# Allegro board LAY-27392_C.brd (continued)
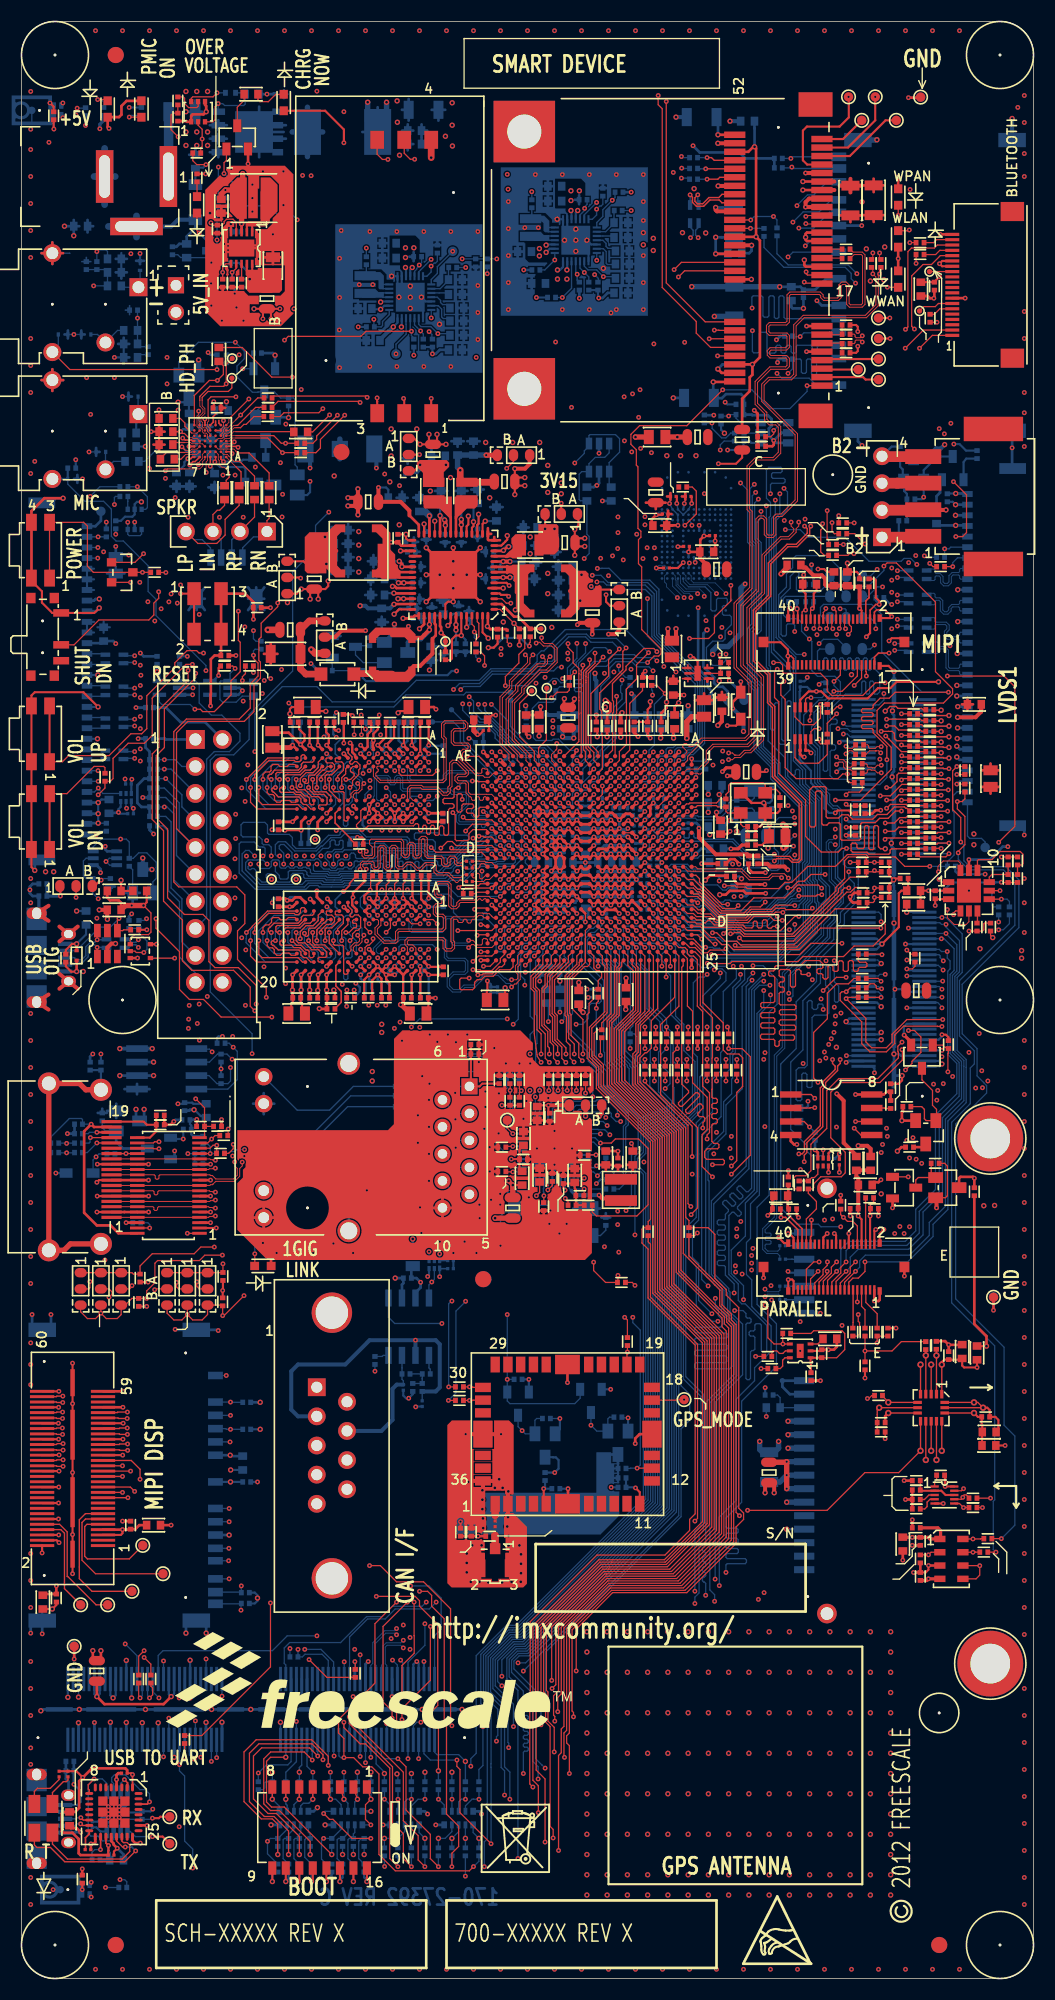
[diagram p0: board, top side]
## Routing (per net, layer and track width the routed paths; a pad name or vN(x,y) marks a point on that pad's centre or on a via; arc(x,y) is an arc through that point) (continued)
CODEC_PWR_EN: length 84.9
  TOP w0.127: U1.W6 v1(48.26,110.61)
  L3_INT_1 w0.114: v1(48.43,121.88) 48.43,121.83 48.07,121.48 48.07,117.92 48.26,117.73 48.26,114.36 48.65,113.97 48.65,112.85 48.43,112.62 48.11,112.62 47.88,112.4 47.88,111.25 48.26,110.87 v1(48.26,110.61) ; v1(20.83,151.46) 21.74,151.46 25.79,147.42 25.79,135.71 21.53,131.45 19.18,131.45 16.74,129.01 v1(16.74,128.35)
  L6_INT_2 w0.114: v1(48.43,121.88) 47.88,122.42 47.63,122.42 46.43,123.62 45.42,123.62 44.75,124.29 44.75,126.62 44.57,126.8 44.57,127.77 44.2,128.14 37.16,128.14 36.81,127.79 36.81,127.07 36.57,126.82 33.81,126.82 32.56,128.07 29.66,128.07 28.74,128.98 25.93,128.98 25.55,128.59 21.63,128.59 20.96,127.92 19.88,127.92 19.46,128.35 v1(16.74,128.35)
  BOTTOM w0.119: R725.1 21.85,152.26 21.84,152.26 Q504.1 v1(20.83,151.46)
COMP_CAPA: length 1.1
  TOP w0.127: C112.1 86.11,46.93 85.92,46.74 U20.1
COMP_CAPR: length 2
  TOP w0.127: U20.4 85.49,45.11 85.22,44.83 85.22,44.42 85,44.2 C114.1
COMP_INT: length 82.6
  TOP w0.119: v1(88.65,46.1) 88.45,45.91 U20.9 ; v1(54.1,91.29) 54.1,91.77 54.28,91.95 R217.1 ; v1(63.6,70.15) 63.35,69.91 R168.1 62.81,68.02 65.17,65.66 65.93,64.9 65.93,63.4 66.81,62.53 66.81,61.96 67.24,61.52 67.24,43.88 v1(67.56,43.56)
  L6_INT_2 w0.114: v1(67.56,43.56) 83.67,43.56 84.96,43.56 86.89,45.49 88.04,45.49 v1(88.65,46.1) ; v1(57.73,69.98) 58.39,69.98 58.57,70.15 v1(63.6,70.15)
  BOTTOM w0.119: v1(57.73,69.98) 57.73,77.37 58.29,77.93 58.29,80.95 55.14,84.1 55.14,85.31 54.09,86.36 54.09,91.28 v1(54.1,91.29)
COMP_NC: length 1.5
  TOP w0.127: U20.3 85.39,45.51 84.96,45.08 R199.1
COMS2_1V8: length 3.2
  TOP w0.152: J5.6 79.45,129.62 79.76,129.92 R26.2
COMS2_2V8: length 9.8
  TOP w0.203: J5.8 79.05,128.72 v1(78.87,128.91)
  TOP w0.381: L25.1 73.57,132.77 73.79,132.77 74.52,132.03 75.31,132.03 75.63,131.71 75.63,131.15 75.73,131.05 L10.1 C28.1 77.83,130.94 C29.1 v1(78.87,128.91)
COMS_1V8: length 4.4
  TOP w0.127: J9.6 79.45,69.49 79.43,69.5 79.43,73.45 R162.2
COMS_2V8: length 8.5
  TOP w0.203: J9.8 79.05,71.43 v1(78.73,71.75) C102.1
  TOP w0.381: C102.1 78.74,72.45 78.74,74.67 C100.1 78.75,75.28 78.56,75.47 L26.1 L17.1
COMS_3V3: length 4.2
  TOP w0.119: R165.2 77.09,71.88 v1(77.34,71.63) 77.72,71.25 78.23,71.25 78.65,70.83 J9.10
CPCA: length 2.7
  TOP w0.076: U7.B6 16.52,143.39 15.46,143.39 15.37,143.3
  TOP w0.119: C18.1 15.02,142.95 15.37,143.3
CPCB: length 3.5
  TOP w0.076: 15.37,143.59 16,143.59 16.07,143.65 U7.B7
  TOP w0.119: 15.37,143.59 13.66,143.59 13.09,143.01 C18.2
CPU_XTALI: length 7.9
  TOP w0.119: R216.1 C55.1 67.92,108.38 67.68,108.61 ; U1.A7 63.46,110.21 63.61,110.36 65.41,110.36 65.53,110.24 R75.1 66.29,109.83 66.45,109.67 66.85,109.67
  TOP w0.127: 66.85,109.67 Y1.1 67.68,108.61
CPU_XTALO: length 12.2
  TOP w0.119: U1.B7 62.58,110.52 62.81,110.52 62.9,110.61 65.4,110.61 65.78,110.99 R75.2
  TOP w0.127: C51.1 71.37,111.54 71.03,111.89 70.3,111.89 Y1.3 69.98,112.3 69.77,112.52 66.8,112.52 66.55,112.27 66.55,111.67 66.29,111.41 R75.2
CPUPWRON: length 18.9
  TOP w0.119: SW1.1 SW1.3 5.87,137.01 6.22,136.66 6.22,132.87 6.78,132.31 D4.3 v1(11.4,132.31) R22.2
CPVOUTN: length 2.5
  TOP w0.152: U7.A7 16.1,143.15 15.95,143 v1(15.67,143)
  BOTTOM w0.203: C548.1 14.67,141.7 15.35,142.38 15.35,142.68 v1(15.67,143)
CPVOUTP: length 2
  TOP w0.152: U7.A6 16.35,142.72 16.16,142.72 v1(15.85,142.42)
  BOTTOM w0.203: C547.1 15.85,141.72 v1(15.85,142.42)
CSI0_DAT12: length 152.6
  TOP w0.119: v1(54.74,124.33) 54.44,124.04 54.44,123.91 53.34,122.81 53.34,122.41 53.34,122.4 53.34,115.88 53.87,115.36 53.87,114.61 U1.M2 ; v1(75.06,67.44) 74.55,67.44 73.85,66.74 J9.33
  L3_INT_1 w0.114: v1(56.13,137.52) 55.24,136.62 55.24,132.85 55.85,132.24 55.85,126.18 54.74,125.07 v1(54.74,124.33) ; v1(75.06,67.44) 75.06,68.2 75.69,68.83 84.43,68.83 85.01,69.42 85.01,69.68 85.12,69.79 85.44,69.79 85.55,69.89 85.55,70.05 85.44,70.15 85.12,70.15 85.01,70.26 85.01,70.41 85.12,70.52 85.44,70.52 85.55,70.63 85.55,70.78 85.44,70.89 85.12,70.89 85.01,71 85.01,75.49 85.85,76.33 85.85,80.64 88.39,83.19 88.39,85.09 87.87,85.61 87.87,87.23 87.13,87.97 87.13,90.82 v1(86.61,91.33)
  L6_INT_2 w0.114: v1(86.61,91.33) 87.53,92.25 87.53,93.93 87.97,94.37 87.97,94.56 88.81,95.39 88.81,96.43 90.47,98.09 90.47,100.98 91.07,101.59 91.07,101.59 91.08,101.6 91.08,103.46 91.28,103.66 91.28,104.47 90.94,104.8 90.94,105.9 91.24,106.19 91.24,109.9 91.35,110.02 91.35,123.06 90,124.4 90,125.54 89.42,126.13 89.42,136.12 88.35,137.19 86.13,137.19 83.91,139.41 79.87,139.41 76.68,136.22 72.62,136.22 72.13,136.71 67.71,136.71 66.09,138.33 59.99,138.33 56.95,138.33 v1(56.13,137.52)
  BOTTOM w0.119: v1(86.61,91.33) 86.61,91.44 86.22,91.84 J504.26
CSI0_DAT13: length 153
  TOP w0.119: v1(74.96,66.55) 74.25,65.84 J9.31 ; U1.L1 55.63,115.57 55.63,119.05 55.71,119.14 55.71,120.17 55.62,120.26 55.62,121.85 56.9,123.13 56.9,123.47 58.57,125.14 59.5,125.14 v1(59.8,124.85)
  L3_INT_1 w0.114: v1(59.8,124.85) 59.29,125.35 59.29,130.99 57.89,132.4 57.89,134.52 58.29,134.92 58.29,137.15 v1(58.67,137.54) ; v1(74.96,66.55) 75.45,67.04 75.45,68.07 75.97,68.59 80.45,68.59 80.56,68.48 80.56,68.23 80.67,68.12 80.82,68.12 80.93,68.23 80.93,68.48 81.03,68.59 81.19,68.59 81.3,68.48 81.3,68.23 81.4,68.12 81.56,68.12 81.66,68.23 81.66,68.48 81.77,68.59 81.92,68.59 82.03,68.48 82.03,68.23 82.14,68.12 82.29,68.12 82.4,68.23 82.4,68.48 82.51,68.59 82.66,68.59 82.77,68.48 82.77,68.23 82.88,68.12 83.03,68.12 83.14,68.23 83.14,68.48 83.24,68.59 83.4,68.59 83.51,68.48 83.51,68.23 83.61,68.12 83.77,68.12 83.87,68.23 83.87,68.48 83.98,68.59 84.76,68.59 85.76,69.6 85.76,70.87 85.34,71.29 85.34,75.44 86.09,76.19 86.09,80.58 88.61,83.1 88.61,85.18 88.09,85.7 88.09,87.32 87.34,88.06 87.34,91.61 v1(86.61,92.34)
  L6_INT_2 w0.114: v1(58.67,137.54) 59.31,137.54 59.56,137.29 61.18,137.29 61.44,137.55 65.83,137.55 67.45,135.93 76.63,135.93 76.71,136 78.68,136 79.78,137.11 79.78,138.51 80.47,139.19 83.46,139.19 86.35,136.31 88.4,136.31 89.2,135.51 89.2,126.04 89.79,125.46 89.79,124.31 91.14,122.97 91.14,110.11 90.93,109.9 90.93,106.19 90.64,105.9 90.64,104.8 91.07,104.38 91.07,103.75 90.87,103.55 90.87,101.69 90.86,101.68 90.86,101.68 90.25,101.07 90.25,98.18 88.6,96.52 88.6,95.48 87.76,94.64 87.76,94.46 87.29,93.99 87.29,93.01 v1(86.61,92.34)
  BOTTOM w0.119: J504.28 v1(86.61,92.34)
CSI0_DAT14: length 153.5
  TOP w0.119: v1(75.84,67.44) 75.82,67.41 75.82,67.1 75.43,66.71 75.43,66.23 74.65,65.46 J9.29
  TOP w0.178: U1.M4 v1(54.67,113.01)
  L3_INT_1 w0.114: v1(75.84,67.44) 75.84,68 76.22,68.38 77.89,68.38 78.14,68.12 80.36,68.12 80.69,67.79 84.38,67.79 86.06,69.47 86.06,70.99 85.56,71.49 85.56,73.55 85.67,73.66 86.07,73.66 86.18,73.76 86.18,73.92 86.07,74.02 85.67,74.02 85.56,74.13 85.56,74.29 85.67,74.39 86.07,74.39 86.18,74.5 86.18,74.65 86.07,74.76 85.67,74.76 85.56,74.87 85.56,75.16 86.31,75.91 86.31,80.49 88.82,83.01 88.82,85.27 88.3,85.79 88.3,87.41 87.56,88.15 87.56,92.14 v1(86.61,93.09) ; v1(58.67,136.78) 58.67,135 58.1,134.43 58.1,132.49 59.51,131.08 59.51,125.68 60.45,124.74 v1(60.45,123.44) 60.45,123.11 59.99,122.65 59.45,122.65 57.81,121.01 57.81,119.4 55.77,117.36 55.77,116.07 54.65,114.95 54.65,113.47 54.67,113.45 v1(54.67,113.01)
  L6_INT_2 w0.114: v1(86.61,93.09) 87.07,93.55 87.07,94.08 87.54,94.55 87.54,94.73 88.38,95.57 88.38,96.61 90.04,98.27 90.04,101.17 90.65,101.78 90.65,103.33 90.29,103.69 90.29,104.34 90.42,104.48 90.42,105.99 90.72,106.28 90.72,109.99 90.92,110.19 90.92,122.88 89.57,124.22 89.57,125.37 88.99,125.95 88.99,135.34 88.27,136.06 86.22,136.06 85.78,136.5 84.85,136.5 84.74,136.61 84.74,136.9 84.63,137.01 84.48,137.01 84.37,136.9 84.37,136.61 84.26,136.5 84.11,136.5 84,136.61 84,136.9 83.9,137.01 83.74,137.01 83.64,136.9 83.64,136.61 83.53,136.5 83.38,136.5 83.27,136.61 83.27,136.9 83.16,137.01 83.01,137.01 82.9,136.9 82.9,136.61 82.79,136.5 82.55,136.5 81.97,137.08 80.19,137.08 78.89,135.79 76.83,135.79 76.76,135.71 67.16,135.71 65.54,137.33 61.53,137.33 60.97,136.78 59.75,136.78 59.64,136.67 59.64,136.53 59.54,136.42 59.38,136.42 59.28,136.53 59.28,136.67 59.17,136.78 v1(58.67,136.78)
  BOTTOM w0.119: J504.32 86.37,93.34 v1(86.61,93.09)
CSI0_DAT15: length 151.9
  TOP w0.119: J9.27 75.05,65.54 75.82,66.31 v1(75.82,66.55)
  TOP w0.178: U1.M5 v1(53.87,112.21)
  L3_INT_1 w0.114: v1(86.68,93.85) 87.78,92.76 87.78,88.24 88.52,87.5 88.52,85.88 89.04,85.36 89.04,82.92 86.53,80.4 86.53,69.43 84.07,66.98 81.61,66.98 81.5,67.09 81.5,67.33 81.4,67.44 81.24,67.44 81.14,67.33 81.14,67.09 81.03,66.98 80.77,66.98 79.89,67.86 78.1,67.86 77.8,68.16 76.67,68.16 76.32,67.81 76.32,67.05 v1(75.82,66.55) ; v1(57.9,135.89) 57.9,134.84 57.67,134.61 57.67,131.5 57.84,131.33 57.99,131.33 58.2,131.54 58.36,131.54 58.46,131.43 58.46,131.27 58.26,131.07 58.26,130.91 58.48,130.69 58.48,128.77 58.59,128.67 58.97,128.67 59.08,128.56 59.08,128.41 58.97,128.3 58.59,128.3 58.48,128.19 58.48,128.04 58.59,127.93 58.97,127.93 59.08,127.82 59.08,127.67 58.97,127.56 58.59,127.56 58.48,127.45 58.48,127.3 58.59,127.19 58.97,127.19 59.08,127.09 59.08,126.93 58.97,126.82 58.59,126.82 58.48,126.72 58.48,126.48 58.62,126.34 58.62,125.72 58.73,125.61 58.95,125.61 59.05,125.51 59.05,125.35 58.95,125.25 58.73,125.25 58.62,125.14 58.62,124.2 58.27,123.86 58.27,122.31 56.9,120.93 56.9,120.27 56.1,119.48 56.1,118 55.55,117.45 55.55,116.16 54.43,115.04 54.43,113.87 54.25,113.69 54.25,112.6 v1(53.87,112.21)
  L6_INT_2 w0.114: v1(86.68,93.85) 86.68,94 87.33,94.64 87.33,94.82 88.16,95.66 88.16,96.7 89.82,98.36 89.82,101.26 90.44,101.87 90.44,103.15 90.05,103.55 90.05,104.4 90.21,104.57 90.21,106.08 90.5,106.37 90.5,110.08 90.7,110.28 90.7,122.79 89.36,124.14 89.36,125.28 88.74,125.89 88.74,134.16 87.27,135.64 86.34,135.64 85.73,136.25 82.37,136.25 81.75,136.87 80.28,136.87 78.98,135.57 76.99,135.57 76.91,135.5 66.87,135.5 65.25,137.12 61.61,137.12 60.39,135.89 v1(57.9,135.89)
  BOTTOM w0.119: J504.34 86.67,93.84 v1(86.68,93.85)
CSI0_DAT16: length 155.4
  TOP w0.119: v1(76.71,67.44) 76.21,66.94 76.21,66.39 75.45,65.63 J9.25
  TOP w0.178: U1.L4 v1(55.47,113.01)
  L3_INT_1 w0.114: v1(76.71,67.44) 77.17,66.98 79.48,66.98 79.78,66.67 84.12,66.67 86.74,69.29 86.74,80.31 89.26,82.83 89.26,85.45 88.77,85.94 88.77,87.58 87.99,88.35 87.99,94.51 v1(86.74,95.76) ; v1(58.88,134.62) 58.88,132.33 59.94,131.26 59.94,126.44 61.8,124.59 61.8,123.69 61.21,123.1 61.21,122.59 63.37,120.42 63.37,119.05 62.98,118.66 60.59,118.66 60.33,118.92 60.33,119.45 60.55,119.68 60.88,119.68 61.12,119.92 61.12,120.9 60.35,121.67 59.08,121.67 58.24,120.83 58.24,119.22 56.94,117.92 56.94,116.63 55.08,114.77 55.08,113.65 55.47,113.26 v1(55.47,113.01)
  L6_INT_2 w0.114: v1(58.88,134.62) 59.39,135.13 64.01,135.13 64.29,134.85 76.5,134.85 77.04,134.31 77.59,134.31 77.95,134.66 78.58,134.66 78.89,134.36 81.93,134.36 83.14,135.57 85.36,135.57 85.76,135.18 86.03,134.91 87.03,134.91 88.09,133.84 88.09,131.97 87.16,131.04 87.16,126.56 88.71,125.01 88.71,123.87 90.06,122.52 90.06,110.55 89.2,109.7 89.2,105.79 89.56,105.44 89.56,104.84 89.4,104.67 89.4,103.28 89.79,102.89 89.79,102.14 89.17,101.53 89.17,99.44 88.2,98.46 88.2,98.06 87.5,97.36 87.5,96.34 87.21,96.05 87.03,96.05 v1(86.74,95.76)
  BOTTOM w0.119: v1(86.74,95.76) 86.45,96.05 86.45,96.23 86.34,96.34 J504.44
CSI0_DAT17: length 151.7
  TOP w0.119: J9.23 75.85,65.69 v1(76.71,66.55)
  TOP w0.178: v1(55.47,113.81) U1.L3
  L3_INT_1 w0.114: v1(55.47,113.81) 55.47,113.89 56.01,114.43 56.01,115.19 56.42,115.61 56.42,115.8 57.17,116.54 57.17,117.84 58.46,119.13 58.46,120.74 59.17,121.45 59.7,121.45 60.11,121.04 60.11,119.41 60.11,119.41 60.11,118.48 60.48,118.11 64.39,118.11 64.74,118.47 64.74,119.68 62.01,122.41 62.01,124.68 60.16,126.53 60.16,131.35 59.09,132.42 59.09,134.15 v1(59.56,134.62)
  L6_INT_2 w0.114: v1(87.11,96.64) 87.11,97.43 87.99,98.3 87.99,98.55 88.96,99.53 88.96,101.62 89.56,102.22 89.56,102.54 88.98,103.12 88.98,104.85 88.77,105.06 88.77,106.77 88.77,106.77 88.77,107.09 88.77,107.1 88.77,109.67 89.84,110.74 89.84,122.43 88.49,123.78 88.49,124.92 86.94,126.47 86.94,133.69 85.27,135.36 83.23,135.36 82.02,134.14 78.8,134.14 78.49,134.45 78.04,134.45 77.68,134.09 76.95,134.09 76.41,134.63 65.29,134.63 65.18,134.52 65.18,134.19 65.08,134.09 64.92,134.09 64.82,134.19 64.82,134.52 64.71,134.63 64.56,134.63 64.45,134.52 64.45,134.19 64.34,134.09 64.19,134.09 64.08,134.19 64.08,134.52 63.97,134.63 63.82,134.63 63.71,134.52 63.71,134.19 63.6,134.09 63.45,134.09 63.34,134.19 63.34,134.52 63.24,134.63 62.23,134.63 61.93,134.33 61.61,134.33 61.33,134.62 v1(59.56,134.62)
  BOTTOM w0.119: J504.46 86.36,96.84 86.56,96.64 v1(87.11,96.64) 87.11,96.02 87.38,95.76 87.38,95 87.16,94.78 87.16,86.96 88.01,86.11 88.01,83.26 86,81.25 86,74.24 84.15,72.39 84.15,70.36 83.16,69.37 77.85,69.37 77.1,68.61 77.1,66.94 v1(76.71,66.55)
CSI0_DAT18: length 152.2
  TOP w0.119: J9.21 76.25,65.54 77.1,66.39 77.1,66.94 v1(77.6,67.44) ; U1.M6 54.67,111.41 v1(54.67,112.21)
  L3_INT_1 w0.114: v1(54.67,112.21) 55.05,112.6 55.05,113.37 54.86,113.56 54.86,114.86 55.98,115.98 55.98,117.27 58.03,119.31 58.03,120.92 59.26,122.15 60.5,122.15 61.34,121.31 61.34,120.17 61.33,120.16 61.33,119.81 60.99,119.46 60.68,119.46 60.54,119.32 60.54,119.01 60.68,118.87 62.86,118.87 63.15,119.16 63.15,120.08 62.94,120.29 62.26,120.29 61.95,120.6 61.95,121.53 60.99,122.5 60.99,123.19 61.58,123.78 61.58,124.4 59.73,126.25 59.73,131.17 58.49,132.41 v1(58.49,133.6)
  L6_INT_2 w0.114: v1(86.57,97.84) 87.07,97.84 87.38,98.15 87.38,98.26 88.74,99.61 88.74,104.76 88.53,104.97 88.53,106.08 87.91,106.7 87.91,109.12 89.62,110.83 89.62,122.34 87.63,124.33 87.63,125.15 v1(87.38,125.4) 86.73,126.05 86.73,133.6 85.18,135.14 83.32,135.14 82.11,133.93 80.15,133.93 79.84,133.62 78.19,133.62 77.93,133.88 76.86,133.88 76.32,134.42 66.04,134.42 65.35,133.73 60.35,133.73 59.97,134.11 59.56,134.11 59.05,133.6 v1(58.49,133.6)
  BOTTOM w0.119: J504.50 v1(86.57,97.84) 86.82,97.84 87.76,96.9 87.76,94.85 87.38,94.47 87.38,87.05 88.23,86.2 88.23,83.02 86.36,81.15 86.36,74.07 84.48,72.19 84.48,70.15 83.31,68.99 78.08,68.99 77.6,68.5 v1(77.6,67.44)
CSI0_DAT19: length 154.5
  TOP w0.119: v1(77.6,66.55) 76.65,65.6 J9.19
  TOP w0.178: U1.L6 v1(55.47,111.41)
  L3_INT_1 w0.114: v1(55.47,111.41) 55.88,111.82 55.88,113.97 56.26,114.35 56.26,115.06 56.64,115.44 56.64,115.71 57.38,116.45 57.38,117.75 58.67,119.04 58.67,120.27 58.67,120.65 59.26,121.23 59.61,121.23 59.89,120.95 59.89,118.16 60.22,117.83 64.82,117.83 65.07,118.08 65.07,119.66 62.23,122.5 62.23,124.76 60.37,126.62 60.37,132.92 v1(59.69,133.6)
  L6_INT_2 w0.114: v1(59.69,133.6) 60.58,132.72 65.71,132.72 65.94,132.94 65.94,133.71 66.07,133.83 66.29,133.83 66.42,133.71 66.42,132.08 66.58,131.92 66.74,131.92 66.93,132.11 66.93,134.02 67.11,134.2 76.18,134.2 76.78,133.6 77.88,133.6 78.08,133.4 79.93,133.4 80.24,133.71 82.2,133.71 83.41,134.92 85.09,134.92 86.51,133.51 86.51,125.15 89.41,122.25 89.41,110.92 87.68,109.19 87.68,105.51 88.53,104.67 88.53,99.76 87.39,98.63 87.29,98.63 v1(86.99,98.34)
  BOTTOM w0.119: v1(77.6,66.55) 77.99,66.94 77.99,67.88 78.74,68.63 83.49,68.63 84.84,69.98 84.84,72.14 86.66,73.96 86.66,81 88.45,82.79 88.45,85.92 88.45,86.29 87.6,87.14 87.6,94.38 88.01,94.79 88.01,97.28 86.99,98.3 v1(86.99,98.34) J504.52
CSI0_HSYNCH: length 151.6
  TOP w0.119: v1(78.49,66.55) 77.45,65.52 J9.15
  TOP w0.178: U1.P4 52.67,112.61 v1(52.27,113.01)
  L3_INT_1 w0.114: v1(56.64,133.48) 56.64,132.68 56.71,132.6 56.71,131.24 57.62,130.33 57.62,124.74 56.81,123.93 56.81,123.1 53.42,119.71 53.42,118.11 53.13,117.82 53.13,116.4 53.57,115.96 53.57,114.67 53.05,114.15 53.05,113.25 52.83,113.03 52.29,113.03 v1(52.27,113.01)
  L6_INT_2 w0.114: v1(86.99,99.19) 87.65,99.19 88.31,99.85 88.31,104.58 87.55,105.33 87.23,105.33 86.89,105.68 86.89,106.14 86.93,106.18 86.93,106.5 86.87,106.56 86.87,107.12 86.93,107.18 86.93,107.64 86.89,107.68 86.89,108 87.11,108.23 87.11,108.45 86.89,108.68 86.89,109 87.11,109.23 87.41,109.23 89.19,111.01 89.19,122.16 86.3,125.06 86.3,133.42 85.07,134.65 83.49,134.65 82.34,133.5 80.33,133.5 80.02,133.18 78.47,133.18 78.05,132.76 77.25,132.76 76.02,133.99 71.13,133.99 71.02,133.88 71.02,133.69 70.92,133.58 70.76,133.58 70.66,133.69 70.66,133.88 70.55,133.99 70.4,133.99 70.29,133.88 70.29,133.69 70.18,133.58 70.03,133.58 69.92,133.69 69.92,133.88 69.81,133.99 69.66,133.99 69.55,133.88 69.55,133.69 69.44,133.58 69.29,133.58 69.18,133.69 69.18,133.88 69.07,133.99 68.92,133.99 68.81,133.88 68.81,133.69 68.71,133.58 68.55,133.58 68.45,133.69 68.45,133.88 68.34,133.99 68.19,133.99 68.08,133.88 68.08,133.69 67.97,133.58 67.82,133.58 67.71,133.69 67.71,133.88 67.6,133.99 67.45,133.99 67.34,133.88 67.34,131.93 67.03,131.62 66.17,131.62 65.58,132.21 58.9,132.21 58.79,132.31 58.79,133.01 58.69,133.12 58.53,133.12 58.43,133.01 58.43,132.31 58.32,132.21 58.17,132.21 58.06,132.31 58.06,133.47 57.95,133.58 57.8,133.58 57.69,133.47 57.69,132.31 57.58,132.21 57.43,132.21 57.32,132.31 57.32,132.96 57.21,133.07 57.06,133.07 56.95,132.96 56.95,132.31 56.85,132.21 56.24,132.21 56.06,132.38 56.06,132.9 v1(56.64,133.48)
  BOTTOM w0.119: J504.56 86.42,99.34 86.57,99.19 v1(86.99,99.19) 86.99,98.93 88.27,97.66 88.27,94.73 87.82,94.29 87.82,87.23 88.67,86.38 88.67,85.83 88.67,85.83 88.67,82.6 86.94,80.87 86.94,72.67 85.42,71.15 85.42,69.93 83.57,68.07 79.41,68.07 78.88,67.54 78.88,66.94 v1(78.49,66.55)
CSI0_PIXCLK: length 152.7
  TOP w0.119: U1.P1 52.68,115.02 52.68,119.07 52.68,122.68 52.68,122.68 52.68,123.09 52.83,123.24 v1(52.83,123.57) ; R180.1 78.67,60.46 78.87,60.65 78.87,61.72 78.74,61.85 v1(78.74,62.48) ; v1(70.77,123.81) 70.78,123.83 71.37,123.83 71.63,123.57 71.63,122.94 71.75,122.82 74.11,122.82 74.11,122.81 75.18,122.81 75.82,122.17 75.82,121.16 76.25,120.72 79.16,120.72 80.36,121.92 v1(81.28,121.92)
  L3_INT_1 w0.114: v1(81.28,94.49) 80.9,94.49 79.88,93.47 79.88,85.06 79.88,85.06 79.88,76.24 80.4,75.73 80.4,73.43 82.47,71.35 82.62,71.35 83.06,70.91 v1(83.06,70.1)
  L6_INT_2 w0.114: v1(70.77,123.81) 67.69,123.81 67.48,123.6 66.79,122.91 65.52,122.91 64.5,122.91 64.16,123.25 64.16,123.25 63.93,123.48 63.93,123.48 63.42,123.99 62.59,123.99 61.25,125.32 58.9,125.32 57.66,124.09 56.01,124.09 55.5,123.57 v1(52.83,123.57) ; v1(81.28,94.49) 81.28,94.07 81.51,93.85 81.51,92.02 81.81,91.72 83.02,91.72 83.13,91.83 83.13,93.01 83.24,93.12 83.39,93.12 83.5,93.01 83.5,91.83 83.6,91.72 83.76,91.72 83.86,91.83 83.86,93.14 83.97,93.24 84.12,93.24 84.23,93.14 84.23,91.83 84.34,91.72 84.49,91.72 84.6,91.83 84.6,93.14 84.71,93.24 84.86,93.24 84.97,93.14 84.97,91.83 85.08,91.72 85.34,91.72 85.52,91.9 85.52,93.5 85.32,93.7 83.31,93.7 82.8,94.21 82.8,95.4 82.68,95.52 81.78,95.52 81.66,95.63 81.66,95.86 81.78,95.98 82.68,95.98 82.8,96.09 82.8,96.32 82.68,96.43 81.78,96.43 81.66,96.55 81.66,96.78 81.78,96.89 82.68,96.89 82.8,97 82.8,97.23 82.68,97.35 81.78,97.35 81.66,97.46 81.66,97.69 81.78,97.8 82.68,97.8 82.8,97.92 82.8,98.15 82.68,98.26 81.78,98.26 81.66,98.38 81.66,98.6 81.78,98.72 82.68,98.72 82.8,98.83 82.8,100.3 82.68,100.41 81.78,100.41 81.66,100.53 81.66,100.76 81.78,100.87 82.68,100.87 82.8,100.98 82.8,101.23 82.91,101.34 83.93,101.34 84.05,101.45 84.05,101.68 83.93,101.8 82.91,101.8 82.8,101.91 82.8,102.14 82.91,102.25 83.93,102.25 84.05,102.37 84.05,102.6 83.93,102.71 82.91,102.71 82.8,102.83 82.8,103.05 82.91,103.17 83.92,103.17 84.05,103.3 84.05,103.5 83.92,103.63 82.73,103.63 82.6,103.75 82.6,103.96 82.73,104.08 83.38,104.08 83.5,104.21 83.5,110.93 83.18,111.26 82.64,111.26 82.64,111.25 81.53,111.25 80.9,111.89 80.37,111.89 79.5,112.75 79.5,120.14 v1(81.28,121.92) ; v1(78.74,62.48) 81.28,62.48 81.91,63.12 81.91,67.82 83.06,68.96 v1(83.06,70.1)
  BOTTOM w0.119: J504.35 80.62,94.34 80.77,94.49 v1(81.28,94.49)
CSI0_PWN: length 59.8
  TOP w0.119: U1.A21 63.86,99.01 64.91,97.96 65.23,97.96 65.9,97.29 66.51,97.29 66.98,96.83 73.18,96.83 75.19,98.84 v1(80.87,98.84) ; v1(78.49,67.44) 77.99,66.94 77.99,66.39 77.05,65.45 J9.17
  L3_INT_1 w0.114: v1(80.87,98.84) 80.48,98.45 80.48,94.37 79.62,93.52 79.62,73.8 v1(82.65,70.76)
  L6_INT_2 w0.114: v1(82.65,70.76) 82.07,70.76 81.4,70.1 81.15,70.1 v1(78.49,67.44)
  BOTTOM w0.119: J504.53 v1(80.87,98.84)
CSI0_RST_B: length 68.3
  TOP w0.119: J9.9 v1(78.65,63.67) ; v1(80.89,99.44) 81.03,99.44 81.28,99.19 81.28,98.3 80.14,97.16 78.35,97.16 77.36,96.16 73.53,96.16 73.06,95.69 66.87,95.69 66.68,95.5 64.57,95.5 v1(64.54,95.53)
  TOP w0.178: v1(61.87,99.41) U1.C20
  L3_INT_1 w0.114: v1(80.89,99.44) 80.64,99.44 80.26,99.06 80.26,94.46 79.41,93.61 79.41,73.63 82.17,70.87 v1(82.17,70.1)
  L6_INT_2 w0.114: v1(61.87,99.41) 62.23,99.41 62.47,99.17 62.47,96.71 63.31,95.87 63.65,95.53 v1(64.54,95.53) ; v1(78.65,63.67) 81.28,66.29 81.28,68.07 82.17,68.96 v1(82.17,70.1)
  BOTTOM w0.119: J504.59 80.67,100.34 80.89,100.12 v1(80.89,99.44)
CSI0_SCL: length 3.7
  TOP w0.119: J9.7 79.05,63.25 79.38,62.93 R181.2
CSI0_SDA: length 4
  TOP w0.119: R182.2 80.52,62.56 79.45,63.62 J9.5
CSI0_VSYNCH: length 153.1
  TOP w0.119: v1(79.38,67.44) 79.38,66.54 78.75,65.91 78.23,65.91 77.85,65.54 J9.13 ; U1.N2 53.07,114.61 53.07,115.44 52.9,115.61 52.9,121.86 52.9,121.86 52.9,122.23 52.9,122.23 52.9,122.59 52.9,122.59 52.9,123 53.47,123.56 v1(53.47,124.08)
  L3_INT_1 w0.114: v1(55.24,131.99) 55.24,131.24 55.58,130.91 55.58,127.41 54.76,126.59 54.76,125.44 54.36,125.04 54.36,124.55 53.89,124.08 v1(53.47,124.08)
  L6_INT_2 w0.114: v1(86.61,99.84) 87.07,99.84 87.2,99.71 87.87,99.71 88.09,99.94 88.09,104.49 87.5,105.08 87.12,105.08 86.11,106.1 86.11,109.45 86.38,109.73 86.49,109.73 86.99,110.23 88.1,110.23 88.98,111.1 88.98,122.02 85.85,125.14 85.85,133.51 85.32,134.05 85.32,134.06 84.96,134.42 83.57,134.42 82.43,133.28 80.42,133.28 80.01,132.87 78.64,132.87 78.21,132.44 77.26,132.44 76.05,133.65 72.56,133.65 72.45,133.55 72.45,132.65 72.34,132.54 72.19,132.54 72.08,132.65 72.08,133.55 71.97,133.65 71.73,133.65 71.35,133.27 70.68,133.27 70.57,133.17 70.57,132.57 70.47,132.46 70.31,132.46 70.21,132.57 70.21,133.17 70.1,133.27 69.95,133.27 69.84,133.17 69.84,132.57 69.73,132.46 69.58,132.46 69.47,132.57 69.47,133.17 69.36,133.27 69.12,133.27 69.06,133.22 69.06,132.18 68.96,132.08 68.61,132.08 68.53,132.16 68.53,133.27 68.45,133.34 68.08,133.34 67.97,133.24 67.97,131.88 67.41,131.32 67.41,129.77 66.85,129.21 66.85,127.61 66.73,127.48 66.47,127.48 66.34,127.61 66.34,129.54 66.8,130 66.8,130.38 65.48,131.7 55.54,131.7 v1(55.24,131.99)
  BOTTOM w0.119: v1(79.38,67.44) 83.39,67.44 85.78,69.82 85.78,70.97 87.17,72.36 87.17,80.7 88.89,82.42 88.89,85.74 88.9,86.47 88.04,87.32 88.04,94.2 88.52,94.67 88.52,98.3 86.98,99.84 v1(86.61,99.84) J504.58
CSI2_SCL: length 7.7
  TOP w0.119: 75.82,116.31 R53.2 ; 75.82,116.31 75.69,116.18 75.18,116.18 75.06,116.31 v1(75.06,116.61) ; 75.82,116.31 75.82,115.16 75.01,114.35 73.3,114.35 72.78,114.87 U10.1
CSI2_SDA: length 5.8
  TOP w0.119: U10.8 72.78,118.71 73.52,117.97 74.57,117.97 75.18,118.59 v1(75.18,119.88) R39.2
CSI_CLK0M: length 34.4
  TOP w0.094: v1(59.47,113.01) U1.F4 ; J5.24 75.85,127.11 v1(75.76,127.02)
  L6_INT_2 w0.097: v1(75.76,127.02) 75.95,126.84 75.95,125.55 74.32,123.92 74.32,121.51 72.7,119.89 72.38,119.89 72.15,119.66 72.15,119.27 72.06,119.18 71.9,119.18 71.8,119.27 71.8,119.66 71.57,119.89 71.23,119.89 70.99,119.66 70.99,119.35 70.9,119.25 70.74,119.25 70.64,119.35 70.64,119.66 70.41,119.89 69.34,119.89 68.2,118.74 59.42,118.74 59.08,118.41 59.08,117.76 59.37,117.47 60.4,117.47 60.66,117.22 60.66,116.56 60.3,116.2 60.01,116.2 59.88,116.34 59.37,116.34 59.13,116.1 59.13,115.65 59.05,115.57 59.05,113.41 59.46,113.01 v1(59.47,113.01)
CSI_CLK0P: length 34.4
  TOP w0.094: v1(76.35,127) 76.25,127.09 J5.22 ; U1.F3 v1(59.47,113.81)
  L6_INT_2 w0.097: v1(59.47,113.81) 59.54,113.74 59.75,113.74 59.87,113.86 59.87,113.95 60.04,114.12 60.04,114.3 59.89,114.45 59.85,114.5 59.85,114.8 59.72,114.94 59.72,115.08 59.85,115.21 59.85,115.61 59.66,115.79 59.44,115.79 59.36,115.86 59.36,116 59.47,116.11 59.79,116.11 59.92,115.98 60.39,115.98 60.88,116.47 60.88,117.32 60.5,117.7 59.46,117.7 59.31,117.86 59.31,118.31 59.51,118.52 68.29,118.52 69.44,119.66 70.32,119.66 70.42,119.56 70.42,119.25 70.65,119.02 70.99,119.02 71.22,119.25 71.22,119.56 71.32,119.66 71.48,119.66 71.57,119.56 71.57,119.18 71.8,118.95 72.15,118.95 72.38,119.18 72.38,119.56 72.48,119.66 72.8,119.66 74.55,121.41 74.55,123.83 76.17,125.45 76.17,126.83 v1(76.35,127)
CSI_D0M: length 34
  TOP w0.094: U1.E4 v1(60.27,113.01) ; v1(74.56,127.02) 74.65,127.11 J5.30
  L6_INT_2 w0.097: v1(74.56,127.02) 74.73,127.18 74.73,127.53 75.08,127.89 77.75,127.89 78.49,127.15 78.49,125.22 77.19,123.93 77.19,120.88 75.12,118.81 74.1,118.81 71.99,116.7 64.34,116.7 62.56,114.91 62.56,113.61 62.36,113.41 60.67,113.41 v1(60.27,113.01)
CSI_D0P: length 34.1
  TOP w0.094: v1(75.15,127) 75.05,127.09 J5.28 ; U1.E3 v1(60.27,113.81)
  L6_INT_2 w0.097: v1(60.27,113.81) 60.65,114.19 62.09,114.19 62.33,114.43 62.33,115.01 62.92,115.6 62.92,115.74 62.65,116.01 62.65,116.17 62.77,116.28 62.93,116.28 63.2,116.01 63.33,116.01 63.47,116.15 63.47,116.29 63.24,116.52 63.24,116.68 63.35,116.79 63.51,116.79 63.74,116.56 63.88,116.56 64.24,116.92 71.89,116.92 74.01,119.04 75.03,119.04 76.96,120.97 76.96,124.02 78.26,125.32 78.26,127.06 77.65,127.66 75.18,127.66 74.96,127.44 74.96,127.19 v1(75.15,127)